# KiCad board SparkFun_GNSS_mosaic-T_panelized.kicad_pcb (continued)
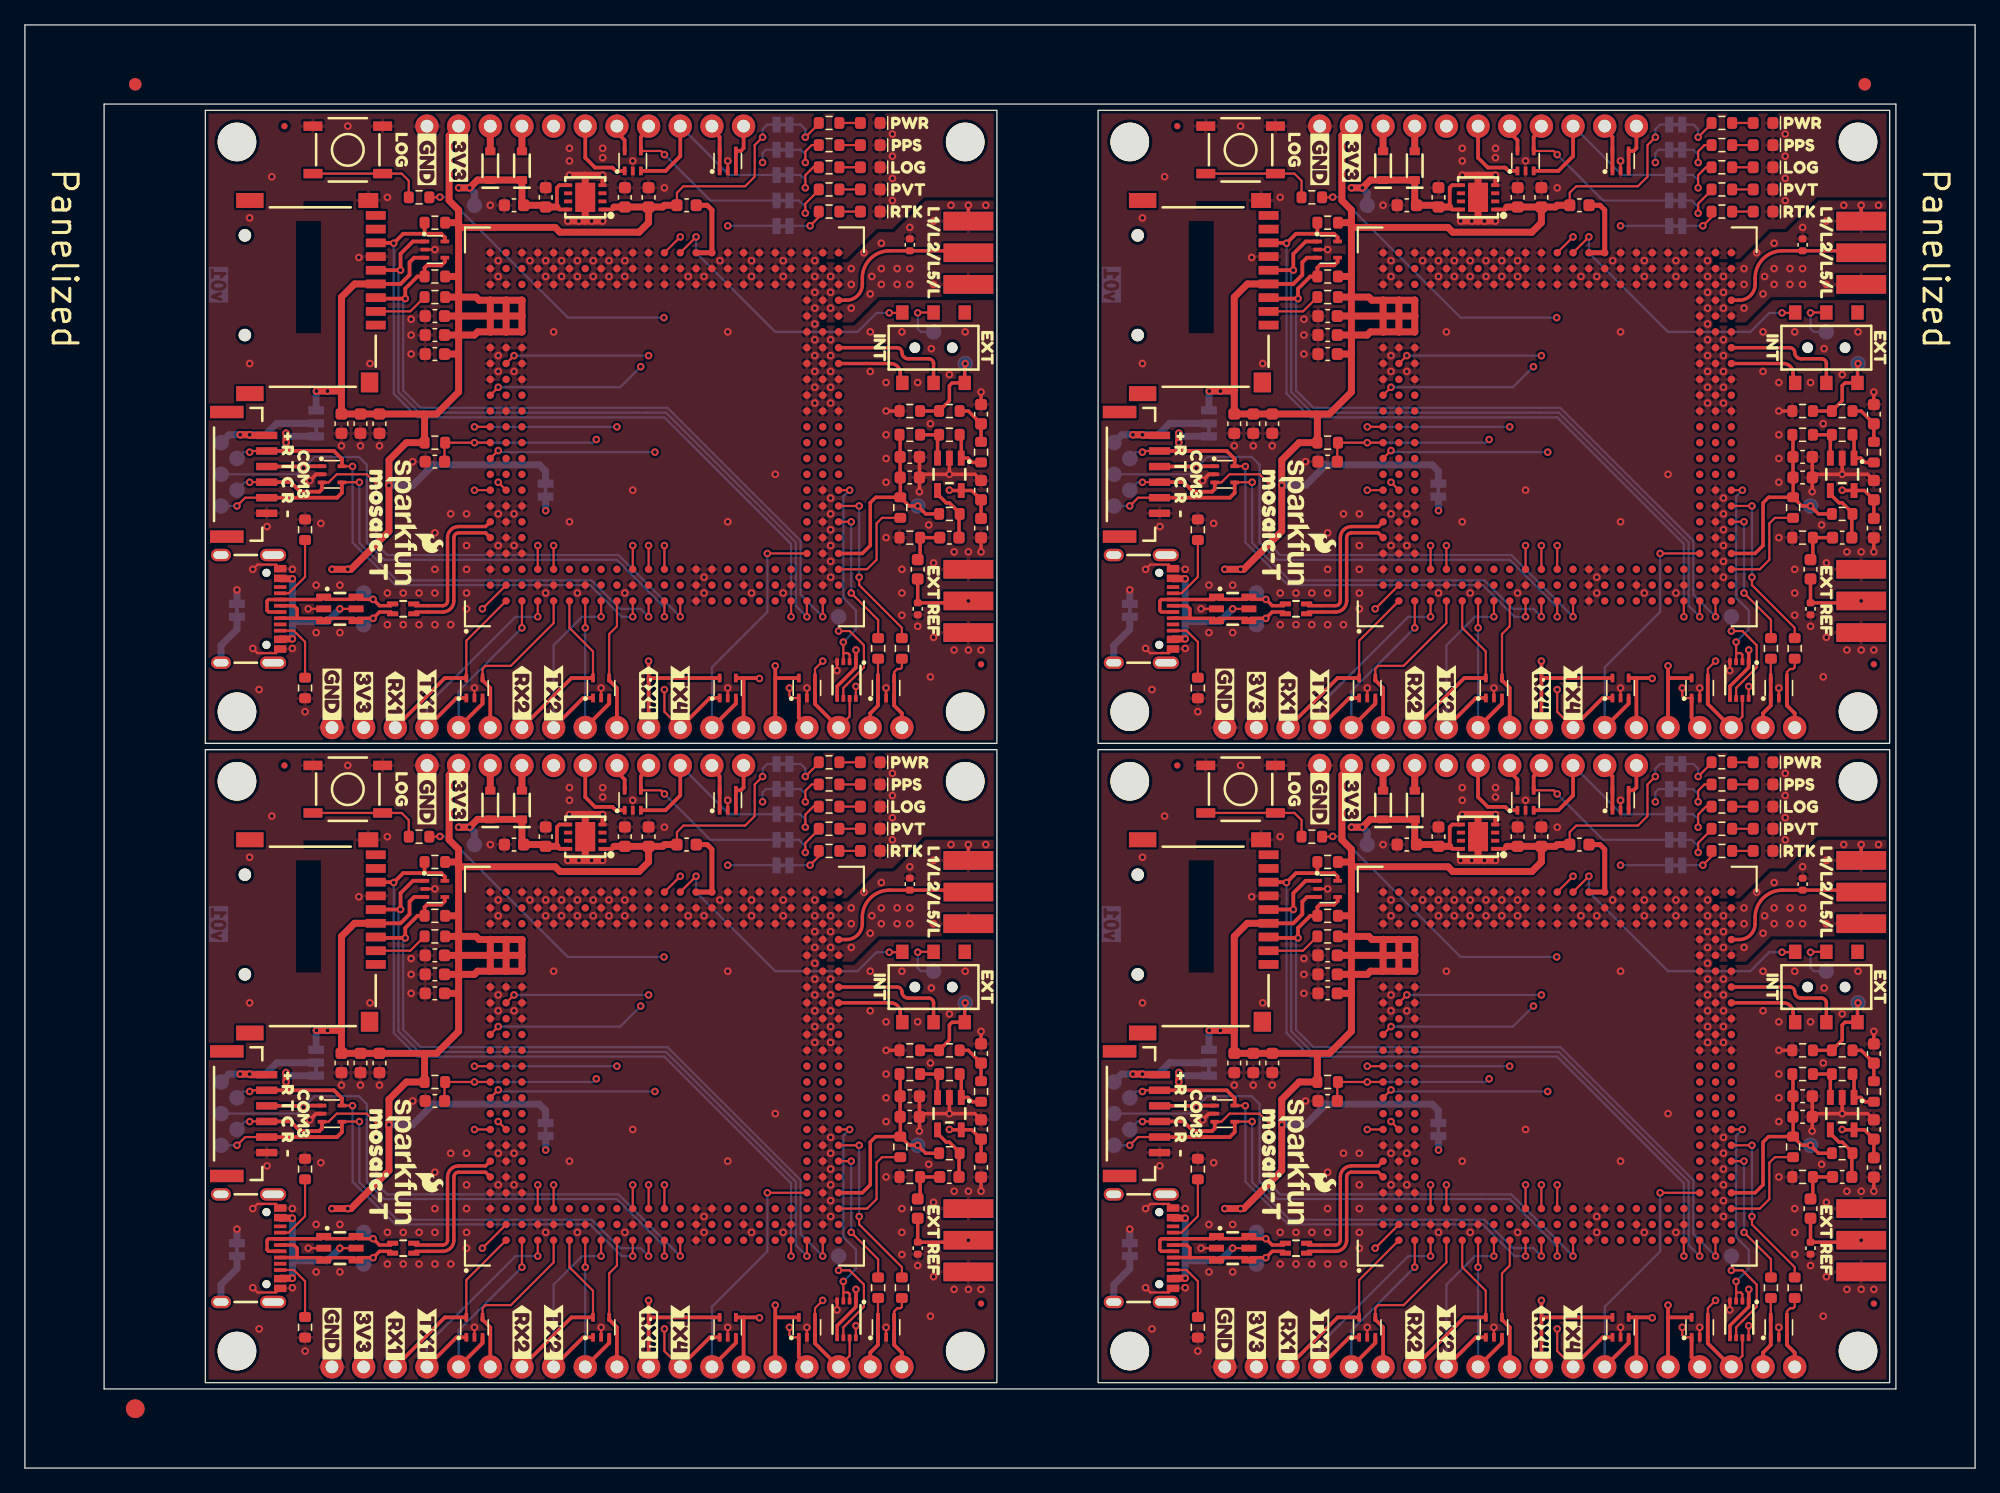
[diagram p0: board, top side]
## Placement (name value [footprint] x y rotation side) (continued)
kibuzzard-67D022AC#4  G***  [kibuzzard-67D022AC]  142.35 100.82 0 top
kibuzzard-67D035E7  G***  [kibuzzard-67D035E7]  68.57 89.9 270 top
kibuzzard-67D035E7#2  G***  [kibuzzard-67D035E7]  68.57 38.6 270 top
kibuzzard-67D035E7#3  G***  [kibuzzard-67D035E7]  140.19 38.6 270 top
kibuzzard-67D035E7#4  G***  [kibuzzard-67D035E7]  140.19 89.9 270 top
kibuzzard-67D035FF  G***  [kibuzzard-67D035FF]  77.21 89.9 270 top
kibuzzard-67D035FF#2  G***  [kibuzzard-67D035FF]  148.83 38.6 270 top
kibuzzard-67D035FF#3  G***  [kibuzzard-67D035FF]  77.21 38.6 270 top
kibuzzard-67D035FF#4  G***  [kibuzzard-67D035FF]  148.83 89.9 270 top
kibuzzard-67D044A8  G***  [kibuzzard-67D044A8]  32.25 105.01 270 top
kibuzzard-67D044A8#2  G***  [kibuzzard-67D044A8]  32.25 53.71 270 top
kibuzzard-67D044A8#3  G***  [kibuzzard-67D044A8]  103.87 53.71 270 top
kibuzzard-67D044A8#4  G***  [kibuzzard-67D044A8]  103.87 105.01 270 top
kibuzzard-67D044BC  G***  [kibuzzard-67D044BC]  34.79 53.84 270 top
kibuzzard-67D044BC#2  G***  [kibuzzard-67D044BC]  106.41 105.14 270 top
kibuzzard-67D044BC#3  G***  [kibuzzard-67D044BC]  106.41 53.84 270 top
kibuzzard-67D044BC#4  G***  [kibuzzard-67D044BC]  34.79 105.14 270 top
kibuzzard-67D044ED  G***  [kibuzzard-67D044ED]  24.63 10.79 270 top
kibuzzard-67D044ED#2  G***  [kibuzzard-67D044ED]  96.25 10.79 270 top
kibuzzard-67D044ED#3  G***  [kibuzzard-67D044ED]  96.25 62.09 270 top
kibuzzard-67D044ED#4  G***  [kibuzzard-67D044ED]  24.63 62.09 270 top
kibuzzard-67D045AD  G***  [kibuzzard-67D045AD]  96.25 62.09 90 bottom
kibuzzard-67D045AD#2  G***  [kibuzzard-67D045AD]  24.63 62.09 90 bottom
kibuzzard-67D045AD#3  G***  [kibuzzard-67D045AD]  96.25 10.79 90 bottom
kibuzzard-67D045AD#4  G***  [kibuzzard-67D045AD]  24.63 10.79 90 bottom
kibuzzard-67D045C9  G***  [kibuzzard-67D045C9]  98.79 10.66 90 bottom
kibuzzard-67D045C9#2  G***  [kibuzzard-67D045C9]  27.17 10.66 90 bottom
kibuzzard-67D045C9#3  G***  [kibuzzard-67D045C9]  98.79 61.96 90 bottom
kibuzzard-67D045C9#4  G***  [kibuzzard-67D045C9]  27.17 61.96 90 bottom
kibuzzard-67D045EC  G***  [kibuzzard-67D045EC]  101.33 10.66 90 bottom
kibuzzard-67D045EC#2  G***  [kibuzzard-67D045EC]  29.71 61.96 90 bottom
kibuzzard-67D045EC#3  G***  [kibuzzard-67D045EC]  29.71 10.66 90 bottom
kibuzzard-67D045EC#4  G***  [kibuzzard-67D045EC]  101.33 61.96 90 bottom
kibuzzard-67D046A8  G***  [kibuzzard-67D046A8]  39.87 62.21 90 bottom
kibuzzard-67D046A8#2  G***  [kibuzzard-67D046A8]  39.87 10.91 90 bottom
kibuzzard-67D046A8#3  G***  [kibuzzard-67D046A8]  111.49 62.21 90 bottom
kibuzzard-67D046A8#4  G***  [kibuzzard-67D046A8]  111.49 10.91 90 bottom
kibuzzard-67D046B5  G***  [kibuzzard-67D046B5]  42.41 62.34 90 bottom
kibuzzard-67D046B5#2  G***  [kibuzzard-67D046B5]  42.41 11.04 90 bottom
kibuzzard-67D046B5#3  G***  [kibuzzard-67D046B5]  114.03 62.34 90 bottom
kibuzzard-67D046B5#4  G***  [kibuzzard-67D046B5]  114.03 11.04 90 bottom
kibuzzard-67D046BD  G***  [kibuzzard-67D046BD]  44.95 62.59 90 bottom
kibuzzard-67D046BD#2  G***  [kibuzzard-67D046BD]  116.57 11.3 90 bottom
kibuzzard-67D046BD#3  G***  [kibuzzard-67D046BD]  44.95 11.3 90 bottom
kibuzzard-67D046BD#4  G***  [kibuzzard-67D046BD]  116.57 62.59 90 bottom
kibuzzard-67D046CC  G***  [kibuzzard-67D046CC]  119.11 62.72 90 bottom
kibuzzard-67D046CC#2  G***  [kibuzzard-67D046CC]  47.49 11.42 90 bottom
kibuzzard-67D046CC#3  G***  [kibuzzard-67D046CC]  119.11 11.42 90 bottom
kibuzzard-67D046CC#4  G***  [kibuzzard-67D046CC]  47.49 62.72 90 bottom
kibuzzard-67D046F7  G***  [kibuzzard-67D046F7]  50.03 10.91 90 bottom
kibuzzard-67D046F7#2  G***  [kibuzzard-67D046F7]  121.65 62.21 90 bottom
kibuzzard-67D046F7#3  G***  [kibuzzard-67D046F7]  50.03 62.21 90 bottom
kibuzzard-67D046F7#4  G***  [kibuzzard-67D046F7]  121.65 10.91 90 bottom
kibuzzard-67D046FF  G***  [kibuzzard-67D046FF]  52.57 10.91 90 bottom
kibuzzard-67D046FF#2  G***  [kibuzzard-67D046FF]  52.57 62.21 90 bottom
kibuzzard-67D046FF#3  G***  [kibuzzard-67D046FF]  124.19 10.91 90 bottom
kibuzzard-67D046FF#4  G***  [kibuzzard-67D046FF]  124.19 62.21 90 bottom
kibuzzard-67D047AD  G***  [kibuzzard-67D047AD]  134.35 12.82 90 bottom
kibuzzard-67D047AD#2  G***  [kibuzzard-67D047AD]  62.73 64.12 90 bottom
kibuzzard-67D047AD#3  G***  [kibuzzard-67D047AD]  134.35 64.12 90 bottom
kibuzzard-67D047AD#4  G***  [kibuzzard-67D047AD]  62.73 12.82 90 bottom
kibuzzard-67D047C3  G***  [kibuzzard-67D047C3]  136.89 62.09 90 bottom
kibuzzard-67D047C3#2  G***  [kibuzzard-67D047C3]  136.89 10.79 90 bottom
kibuzzard-67D047C3#3  G***  [kibuzzard-67D047C3]  65.27 62.09 90 bottom
kibuzzard-67D047C3#4  G***  [kibuzzard-67D047C3]  65.27 10.79 90 bottom
kibuzzard-67D047D9  G***  [kibuzzard-67D047D9]  139.43 64.25 90 bottom
kibuzzard-67D047D9#2  G***  [kibuzzard-67D047D9]  67.81 64.25 90 bottom
kibuzzard-67D047D9#3  G***  [kibuzzard-67D047D9]  139.43 12.95 90 bottom
kibuzzard-67D047D9#4  G***  [kibuzzard-67D047D9]  67.81 12.95 90 bottom
kibuzzard-67D047EC  G***  [kibuzzard-67D047EC]  70.35 12.82 90 bottom
kibuzzard-67D047EC#2  G***  [kibuzzard-67D047EC]  141.97 12.82 90 bottom
kibuzzard-67D047EC#3  G***  [kibuzzard-67D047EC]  70.35 64.12 90 bottom
kibuzzard-67D047EC#4  G***  [kibuzzard-67D047EC]  141.97 64.12 90 bottom
kibuzzard-67D049A2  G***  [kibuzzard-67D049A2]  21.07 80.38 270 top
kibuzzard-67D049A2#2  G***  [kibuzzard-67D049A2]  21.07 29.08 270 top
kibuzzard-67D049A2#3  G***  [kibuzzard-67D049A2]  92.69 29.08 270 top
kibuzzard-67D049A2#4  G***  [kibuzzard-67D049A2]  92.69 80.38 270 top
kibuzzard-67D049A2#5  G***  [kibuzzard-67D049A2]  90.03 79.74 90 bottom
kibuzzard-67D049A2#6  G***  [kibuzzard-67D049A2]  18.41 79.74 90 bottom
kibuzzard-67D049A2#7  G***  [kibuzzard-67D049A2]  90.03 28.44 90 bottom
kibuzzard-67D049A2#8  G***  [kibuzzard-67D049A2]  18.41 28.44 90 bottom
kibuzzard-67D049B0  G***  [kibuzzard-67D049B0]  92.69 27.81 270 top
kibuzzard-67D049B0#2  G***  [kibuzzard-67D049B0]  21.07 27.81 270 top
kibuzzard-67D049B0#3  G***  [kibuzzard-67D049B0]  92.69 79.11 270 top
kibuzzard-67D049B0#4  G***  [kibuzzard-67D049B0]  21.07 79.11 270 top
kibuzzard-67D049B0#5  G***  [kibuzzard-67D049B0]  90.03 78.47 90 bottom
kibuzzard-67D049B0#6  G***  [kibuzzard-67D049B0]  18.41 78.47 90 bottom
kibuzzard-67D049B0#7  G***  [kibuzzard-67D049B0]  90.03 27.17 90 bottom
kibuzzard-67D049B0#8  G***  [kibuzzard-67D049B0]  18.41 27.17 90 bottom
kibuzzard-67D171AB  G***  [kibuzzard-67D171AB]  97.52 70.22 90 bottom
kibuzzard-67D171AB#2  G***  [kibuzzard-67D171AB]  25.9 70.22 90 bottom
kibuzzard-67D171AB#3  G***  [kibuzzard-67D171AB]  97.52 18.92 90 bottom
kibuzzard-67D171AB#4  G***  [kibuzzard-67D171AB]  25.9 18.92 90 bottom
kibuzzard-67D171E5  G***  [kibuzzard-67D171E5]  25.9 67.68 90 bottom
kibuzzard-67D171E5#2  G***  [kibuzzard-67D171E5]  25.9 16.38 90 bottom
kibuzzard-67D171E5#3  G***  [kibuzzard-67D171E5]  97.52 16.38 90 bottom
kibuzzard-67D171E5#4  G***  [kibuzzard-67D171E5]  97.52 67.68 90 bottom
kibuzzard-67D0352E  G***  [kibuzzard-67D0352E]  100.01 24.38 270 top
kibuzzard-67D0352E#2  G***  [kibuzzard-67D0352E]  28.39 24.38 270 top
kibuzzard-67D0352E#3  G***  [kibuzzard-67D0352E]  100.01 75.68 270 top
kibuzzard-67D0352E#4  G***  [kibuzzard-67D0352E]  28.39 75.68 270 top
kibuzzard-67D0356E  G***  [kibuzzard-67D0356E]  50.03 83.55 90 bottom
kibuzzard-67D0356E#2  G***  [kibuzzard-67D0356E]  50.03 32.25 90 bottom
kibuzzard-67D0356E#3  G***  [kibuzzard-67D0356E]  121.65 83.55 90 bottom
kibuzzard-67D0356E#4  G***  [kibuzzard-67D0356E]  121.65 32.25 90 bottom
kibuzzard-67D0451A  G***  [kibuzzard-67D0451A]  101.33 61.96 270 top
kibuzzard-67D0451A#2  G***  [kibuzzard-67D0451A]  29.71 61.96 270 top
kibuzzard-67D0451A#3  G***  [kibuzzard-67D0451A]  101.33 10.66 270 top
kibuzzard-67D0451A#4  G***  [kibuzzard-67D0451A]  29.71 10.66 270 top
kibuzzard-67D0454D  G***  [kibuzzard-67D0454D]  39.87 10.91 270 top
kibuzzard-67D0454D#2  G***  [kibuzzard-67D0454D]  39.87 62.21 270 top
kibuzzard-67D0454D#3  G***  [kibuzzard-67D0454D]  111.49 62.21 270 top
kibuzzard-67D0454D#4  G***  [kibuzzard-67D0454D]  111.49 10.91 270 top
kibuzzard-67D0455C  G***  [kibuzzard-67D0455C]  42.41 62.21 270 top
kibuzzard-67D0455C#2  G***  [kibuzzard-67D0455C]  114.03 10.91 270 top
kibuzzard-67D0455C#3  G***  [kibuzzard-67D0455C]  114.03 62.21 270 top
kibuzzard-67D0455C#4  G***  [kibuzzard-67D0455C]  42.41 10.91 270 top
kibuzzard-67D0474E  G***  [kibuzzard-67D0474E]  129.27 62.21 90 bottom
kibuzzard-67D0474E#2  G***  [kibuzzard-67D0474E]  129.27 10.91 90 bottom
kibuzzard-67D0474E#3  G***  [kibuzzard-67D0474E]  57.65 10.91 90 bottom
kibuzzard-67D0474E#4  G***  [kibuzzard-67D0474E]  57.65 62.21 90 bottom
kibuzzard-67D1674C  G***  [kibuzzard-67D1674C]  43.68 65.77 180 bottom
kibuzzard-67D1674C#2  G***  [kibuzzard-67D1674C]  43.68 14.47 180 bottom
kibuzzard-67D1674C#3  G***  [kibuzzard-67D1674C]  115.3 14.47 180 bottom
kibuzzard-67D1674C#4  G***  [kibuzzard-67D1674C]  115.3 65.77 180 bottom
kibuzzard-67D02274  G***  [kibuzzard-67D02274]  142.61 56.63 0 top
kibuzzard-67D02274#2  G***  [kibuzzard-67D02274]  70.99 56.63 0 top
kibuzzard-67D02274#3  G***  [kibuzzard-67D02274]  70.99 107.93 0 top
kibuzzard-67D02274#4  G***  [kibuzzard-67D02274]  142.61 107.93 0 top
kibuzzard-67D02289  G***  [kibuzzard-67D02289]  142.35 106.16 0 top
kibuzzard-67D02289#2  G***  [kibuzzard-67D02289]  70.73 54.86 0 top
kibuzzard-67D02289#3  G***  [kibuzzard-67D02289]  70.73 106.16 0 top
kibuzzard-67D02289#4  G***  [kibuzzard-67D02289]  142.35 54.86 0 top
kibuzzard-67D02298  G***  [kibuzzard-67D02298]  70.86 53.08 0 top
kibuzzard-67D02298#2  G***  [kibuzzard-67D02298]  30.22 105.78 270 top
kibuzzard-67D02298#3  G***  [kibuzzard-67D02298]  70.86 104.38 0 top
kibuzzard-67D02298#4  G***  [kibuzzard-67D02298]  101.84 54.48 270 top
kibuzzard-67D02298#5  G***  [kibuzzard-67D02298]  142.48 53.08 0 top
kibuzzard-67D02298#6  G***  [kibuzzard-67D02298]  30.22 54.48 270 top
kibuzzard-67D02298#7  G***  [kibuzzard-67D02298]  142.48 104.38 0 top
kibuzzard-67D02298#8  G***  [kibuzzard-67D02298]  101.84 105.78 270 top
kibuzzard-67D03557  G***  [kibuzzard-67D03557]  125.46 32.25 90 bottom
kibuzzard-67D03557#2  G***  [kibuzzard-67D03557]  125.46 83.55 90 bottom
kibuzzard-67D03557#3  G***  [kibuzzard-67D03557]  53.84 83.55 90 bottom
kibuzzard-67D03557#4  G***  [kibuzzard-67D03557]  53.84 32.25 90 bottom
kibuzzard-67D03584  G***  [kibuzzard-67D03584]  117.84 83.55 90 bottom
kibuzzard-67D03584#2  G***  [kibuzzard-67D03584]  46.22 32.25 90 bottom
kibuzzard-67D03584#3  G***  [kibuzzard-67D03584]  117.84 32.25 90 bottom
kibuzzard-67D03584#4  G***  [kibuzzard-67D03584]  46.22 83.55 90 bottom
kibuzzard-67D04501  G***  [kibuzzard-67D04501]  27.17 61.96 270 top
kibuzzard-67D04501#2  G***  [kibuzzard-67D04501]  98.79 10.66 270 top
kibuzzard-67D04501#3  G***  [kibuzzard-67D04501]  98.79 61.96 270 top
kibuzzard-67D04501#4  G***  [kibuzzard-67D04501]  27.17 10.66 270 top
kibuzzard-67D04530  G***  [kibuzzard-67D04530]  32.25 10.79 270 top
kibuzzard-67D04530#2  G***  [kibuzzard-67D04530]  103.87 10.79 270 top
kibuzzard-67D04530#3  G***  [kibuzzard-67D04530]  32.25 62.09 270 top
kibuzzard-67D04530#4  G***  [kibuzzard-67D04530]  103.87 62.09 270 top
kibuzzard-67D04570  G***  [kibuzzard-67D04570]  121.65 62.21 270 top
kibuzzard-67D04570#2  G***  [kibuzzard-67D04570]  121.65 10.91 270 top
kibuzzard-67D04570#3  G***  [kibuzzard-67D04570]  50.03 10.91 270 top
kibuzzard-67D04570#4  G***  [kibuzzard-67D04570]  50.03 62.21 270 top
kibuzzard-67D04579  G***  [kibuzzard-67D04579]  124.19 62.21 270 top
kibuzzard-67D04579#2  G***  [kibuzzard-67D04579]  52.57 62.21 270 top
kibuzzard-67D04579#3  G***  [kibuzzard-67D04579]  124.19 10.91 270 top
kibuzzard-67D04579#4  G***  [kibuzzard-67D04579]  52.57 10.91 270 top
kibuzzard-67D04612  G***  [kibuzzard-67D04612]  32.25 62.09 90 bottom
kibuzzard-67D04612#2  G***  [kibuzzard-67D04612]  103.87 62.09 90 bottom
kibuzzard-67D04612#3  G***  [kibuzzard-67D04612]  103.87 10.79 90 bottom
kibuzzard-67D04612#4  G***  [kibuzzard-67D04612]  32.25 10.79 90 bottom
kibuzzard-67D04639  G***  [kibuzzard-67D04639]  106.41 11.17 90 bottom
kibuzzard-67D04639#2  G***  [kibuzzard-67D04639]  34.79 11.17 90 bottom
kibuzzard-67D04639#3  G***  [kibuzzard-67D04639]  106.41 62.47 90 bottom
kibuzzard-67D04639#4  G***  [kibuzzard-67D04639]  34.79 62.47 90 bottom
kibuzzard-67D04669  G***  [kibuzzard-67D04669]  37.33 11.17 90 bottom
kibuzzard-67D04669#2  G***  [kibuzzard-67D04669]  108.95 11.17 90 bottom
kibuzzard-67D04669#3  G***  [kibuzzard-67D04669]  108.95 62.47 90 bottom
kibuzzard-67D04669#4  G***  [kibuzzard-67D04669]  37.33 62.47 90 bottom
kibuzzard-67D04726  G***  [kibuzzard-67D04726]  126.73 62.09 90 bottom
kibuzzard-67D04726#2  G***  [kibuzzard-67D04726]  55.11 10.79 90 bottom
kibuzzard-67D04726#3  G***  [kibuzzard-67D04726]  126.73 10.79 90 bottom
kibuzzard-67D04726#4  G***  [kibuzzard-67D04726]  55.11 62.09 90 bottom
kibuzzard-67D04771  G***  [kibuzzard-67D04771]  131.81 10.91 90 bottom
kibuzzard-67D04771#2  G***  [kibuzzard-67D04771]  60.19 62.21 90 bottom
kibuzzard-67D04771#3  G***  [kibuzzard-67D04771]  60.19 10.91 90 bottom
kibuzzard-67D04771#4  G***  [kibuzzard-67D04771]  131.81 62.21 90 bottom
kibuzzard-67D04943  G***  [kibuzzard-67D04943]  93.96 79.74 270 top
kibuzzard-67D04943#2  G***  [kibuzzard-67D04943]  93.96 28.44 270 top
kibuzzard-67D04943#3  G***  [kibuzzard-67D04943]  22.34 28.44 270 top
kibuzzard-67D04943#4  G***  [kibuzzard-67D04943]  22.34 79.74 270 top
kibuzzard-67D04998  G***  [kibuzzard-67D04998]  92.69 77.84 270 top
kibuzzard-67D04998#2  G***  [kibuzzard-67D04998]  92.69 26.53 270 top
kibuzzard-67D04998#3  G***  [kibuzzard-67D04998]  21.07 26.53 270 top
kibuzzard-67D04998#4  G***  [kibuzzard-67D04998]  21.07 81.65 270 top
kibuzzard-67D04998#5  G***  [kibuzzard-67D04998]  21.07 77.84 270 top
kibuzzard-67D04998#6  G***  [kibuzzard-67D04998]  92.69 30.34 270 top
kibuzzard-67D04998#7  G***  [kibuzzard-67D04998]  92.69 81.65 270 top
kibuzzard-67D04998#8  G***  [kibuzzard-67D04998]  21.07 30.34 270 top
kibuzzard-67D04998#9  G***  [kibuzzard-67D04998]  18.41 81.01 90 bottom
kibuzzard-67D04998#10  G***  [kibuzzard-67D04998]  18.41 77.2 90 bottom
kibuzzard-67D04998#11  G***  [kibuzzard-67D04998]  18.41 29.71 90 bottom
kibuzzard-67D04998#12  G***  [kibuzzard-67D04998]  90.03 81.01 90 bottom
kibuzzard-67D04998#13  G***  [kibuzzard-67D04998]  18.41 25.9 90 bottom
kibuzzard-67D04998#14  G***  [kibuzzard-67D04998]  90.03 25.9 90 bottom
kibuzzard-67D04998#15  G***  [kibuzzard-67D04998]  90.03 77.2 90 bottom
kibuzzard-67D04998#16  G***  [kibuzzard-67D04998]  90.03 29.71 90 bottom
kibuzzard-67D05112  G***  [kibuzzard-67D05112]  18.66 68.82 90 bottom
kibuzzard-67D05112#2  G***  [kibuzzard-67D05112]  90.28 68.82 90 bottom
kibuzzard-67D05112#3  G***  [kibuzzard-67D05112]  90.28 17.52 90 bottom
kibuzzard-67D05112#4  G***  [kibuzzard-67D05112]  18.66 17.52 90 bottom
kibuzzard-67D05125  G***  [kibuzzard-67D05125]  111.74 27.17 90 bottom
kibuzzard-67D05125#2  G***  [kibuzzard-67D05125]  40.12 78.47 90 bottom
kibuzzard-67D05125#3  G***  [kibuzzard-67D05125]  111.74 78.47 90 bottom
kibuzzard-67D05125#4  G***  [kibuzzard-67D05125]  40.12 27.17 90 bottom
kibuzzard-67D16721  G***  [kibuzzard-67D16721]  33.52 65.77 180 bottom
kibuzzard-67D16721#2  G***  [kibuzzard-67D16721]  105.14 14.47 180 bottom
kibuzzard-67D16721#3  G***  [kibuzzard-67D16721]  33.52 14.47 180 bottom
kibuzzard-67D16721#4  G***  [kibuzzard-67D16721]  105.14 65.77 180 bottom
kibuzzard-67D16775  G***  [kibuzzard-67D16775]  122.92 14.48 180 bottom
kibuzzard-67D16775#2  G***  [kibuzzard-67D16775]  122.92 65.78 180 bottom
kibuzzard-67D16775#3  G***  [kibuzzard-67D16775]  51.3 65.78 180 bottom
kibuzzard-67D16775#4  G***  [kibuzzard-67D16775]  51.3 14.48 180 bottom
kibuzzard-67DABC7B  G***  [kibuzzard-67DABC7B]  18.41 82.28 90 bottom
kibuzzard-67DABC7B#2  G***  [kibuzzard-67DABC7B]  90.03 30.98 90 bottom
kibuzzard-67DABC7B#3  G***  [kibuzzard-67DABC7B]  18.41 30.98 90 bottom
kibuzzard-67DABC7B#4  G***  [kibuzzard-67DABC7B]  90.03 82.28 90 bottom
kibuzzard-67DABC71  G***  [kibuzzard-67DABC71]  92.69 82.79 270 top
kibuzzard-67DABC71#2  G***  [kibuzzard-67DABC71]  21.07 82.79 270 top
kibuzzard-67DABC71#3  G***  [kibuzzard-67DABC71]  92.69 31.49 270 top
kibuzzard-67DABC71#4  G***  [kibuzzard-67DABC71]  21.07 31.49 270 top
kibuzzard-67DABC87  G***  [kibuzzard-67DABC87]  21.07 76.56 270 top
kibuzzard-67DABC87#2  G***  [kibuzzard-67DABC87]  21.07 25.27 270 top
kibuzzard-67DABC87#3  G***  [kibuzzard-67DABC87]  92.69 25.27 270 top
kibuzzard-67DABC87#4  G***  [kibuzzard-67DABC87]  92.69 76.56 270 top
kibuzzard-67DABED8  G***  [kibuzzard-67DABED8]  107.68 99.68 90 bottom
kibuzzard-67DABED8#2  G***  [kibuzzard-67DABED8]  36.06 48.38 90 bottom
kibuzzard-67DABED8#3  G***  [kibuzzard-67DABED8]  36.06 99.68 90 bottom
kibuzzard-67DABED8#4  G***  [kibuzzard-67DABED8]  107.68 48.38 90 bottom
kibuzzard-67DAC0B5  G***  [kibuzzard-67DAC0B5]  93.33 32.5 90 bottom
kibuzzard-67DAC0B5#2  G***  [kibuzzard-67DAC0B5]  93.33 83.8 90 bottom
kibuzzard-67DAC0B5#3  G***  [kibuzzard-67DAC0B5]  21.71 32.5 90 bottom
kibuzzard-67DAC0B5#4  G***  [kibuzzard-67DAC0B5]  21.71 83.8 90 bottom
kibuzzard-67DAC0E0  G***  [kibuzzard-67DAC0E0]  23.36 29.46 90 bottom
kibuzzard-67DAC0E0#2  G***  [kibuzzard-67DAC0E0]  94.98 80.76 90 bottom
kibuzzard-67DAC0E0#3  G***  [kibuzzard-67DAC0E0]  23.36 80.76 90 bottom
kibuzzard-67DAC0E0#4  G***  [kibuzzard-67DAC0E0]  94.98 29.46 90 bottom
kibuzzard-67DAC106  G***  [kibuzzard-67DAC106]  23.36 36.06 90 bottom
kibuzzard-67DAC106#2  G***  [kibuzzard-67DAC106]  94.98 36.06 90 bottom
kibuzzard-67DAC106#3  G***  [kibuzzard-67DAC106]  23.36 87.36 90 bottom
kibuzzard-67DAC106#4  G***  [kibuzzard-67DAC106]  94.98 87.36 90 bottom
L1  470Ohm  [C_0603_1608Metric]  53.08 50.03 0 top
L1#2  470Ohm  [C_0603_1608Metric]  53.08 101.33 0 top
L1#3  470Ohm  [C_0603_1608Metric]  124.7 101.33 0 top
L1#4  470Ohm  [C_0603_1608Metric]  124.7 50.03 0 top
LOG1  ~  [Jumper_2_NC_Trace]  132.43 103.76 180 bottom
LOG1#2  ~  [Jumper_2_NC_Trace]  132.43 52.46 180 bottom
LOG1#3  ~  [Jumper_2_NC_Trace]  60.81 103.76 180 bottom
LOG1#4  ~  [Jumper_2_NC_Trace]  60.81 52.46 180 bottom
NOREF  -  [Fiducial_1.5mm_Mask3mm]  8.85 4.76 0 top
NOREF#2  -  [Fiducial_1mm_Mask3mm]  8.85 111.04 0 top
NOREF#3  -  [Fiducial_1mm_Mask3mm]  147.59 111.04 0 top
NOREF#4  -  [Fiducial_1.5mm_Mask3mm]  8.85 4.76 180 bottom
NOREF#5  -  [Fiducial_1mm_Mask3mm]  8.85 111.04 180 bottom
NOREF#6  -  [Fiducial_1mm_Mask3mm]  147.59 111.04 180 bottom
PPS1  ~  [Jumper_2_NC_Trace]  60.81 54.48 180 bottom
PPS1#2  ~  [Jumper_2_NC_Trace]  60.81 105.78 180 bottom
PPS1#3  ~  [Jumper_2_NC_Trace]  132.43 54.48 180 bottom
PPS1#4  ~  [Jumper_2_NC_Trace]  132.43 105.78 180 bottom
PVT1  ~  [Jumper_2_NC_Trace]  60.81 101.71 180 bottom
PVT1#2  ~  [Jumper_2_NC_Trace]  132.43 50.41 180 bottom
PVT1#3  ~  [Jumper_2_NC_Trace]  132.43 101.71 180 bottom
PVT1#4  ~  [Jumper_2_NC_Trace]  60.81 50.41 180 bottom
PWR1  ~  [Jumper_2_NC_Trace]  60.81 56.5 180 bottom
PWR1#2  ~  [Jumper_2_NC_Trace]  132.43 107.8 180 bottom
PWR1#3  ~  [Jumper_2_NC_Trace]  132.43 56.5 180 bottom
PWR1#4  ~  [Jumper_2_NC_Trace]  60.81 107.8 180 bottom
R1  10k  [R_0603_1608Metric]  104.5 48.63 0 top
R1#2  10k  [R_0603_1608Metric]  32.89 48.63 0 top
R1#3  10k  [R_0603_1608Metric]  104.5 99.93 0 top
R1#4  10k  [R_0603_1608Metric]  32.89 99.93 0 top
R2  10k  [R_0603_1608Metric]  104.5 44.31 0 top
R2#2  10k  [R_0603_1608Metric]  104.5 95.62 0 top
R2#3  10k  [R_0603_1608Metric]  32.89 95.62 0 top
R2#4  10k  [R_0603_1608Metric]  32.89 44.31 0 top
R3  10k  [R_0603_1608Metric]  104.5 82.28 180 top
R3#2  10k  [R_0603_1608Metric]  104.5 30.98 180 top
R3#3  10k  [R_0603_1608Metric]  32.89 82.28 180 top
R3#4  10k  [R_0603_1608Metric]  32.89 30.98 180 top
R4  10k  [R_0603_1608Metric]  32.89 42.66 0 top
R4#2  10k  [R_0603_1608Metric]  104.5 93.96 0 top
R4#3  10k  [R_0603_1608Metric]  32.89 93.96 0 top
R4#4  10k  [R_0603_1608Metric]  104.5 42.66 0 top
R5  10k  [R_0603_1608Metric]  141.84 77.07 270 top
R5#2  10k  [R_0603_1608Metric]  141.84 25.77 270 top
R5#3  10k  [R_0603_1608Metric]  70.22 77.07 270 top
R5#4  10k  [R_0603_1608Metric]  70.22 25.77 270 top
R6  4.7k  [R_0603_1608Metric]  136.13 107.93 180 top
R6#2  4.7k  [R_0603_1608Metric]  136.13 56.63 180 top
R6#3  4.7k  [R_0603_1608Metric]  64.51 56.63 180 top
R6#4  4.7k  [R_0603_1608Metric]  64.51 107.93 180 top
R7  2.2k  [R_0603_1608Metric]  64.51 51.3 180 top
R7#2  2.2k  [R_0603_1608Metric]  136.13 51.3 180 top
R7#3  2.2k  [R_0603_1608Metric]  136.13 102.6 180 top
R7#4  2.2k  [R_0603_1608Metric]  64.51 102.6 180 top
R8  169k  [R_0603_1608Metric]  140.06 65.77 270 top
R8#2  169k  [R_0603_1608Metric]  140.06 14.47 270 top
R8#3  169k  [R_0603_1608Metric]  68.44 65.77 270 top
R8#4  169k  [R_0603_1608Metric]  68.44 14.47 270 top
R9  169k  [R_0603_1608Metric]  141.97 14.47 270 top
R9#2  169k  [R_0603_1608Metric]  70.35 65.77 270 top
R9#3  169k  [R_0603_1608Metric]  141.97 65.77 270 top
R9#4  169k  [R_0603_1608Metric]  70.35 14.47 270 top
R10  330  [R_0603_1608Metric]  136.13 53.08 180 top
R10#2  330  [R_0603_1608Metric]  136.13 104.38 180 top
R10#3  330  [R_0603_1608Metric]  64.51 104.38 180 top
R10#4  330  [R_0603_1608Metric]  64.51 53.08 180 top
R11  1k  [R_0603_1608Metric]  136.13 49.52 180 top
R11#2  1k  [R_0603_1608Metric]  136.13 100.82 180 top
R11#3  1k  [R_0603_1608Metric]  64.51 100.82 180 top
R11#4  1k  [R_0603_1608Metric]  64.51 49.52 180 top
R12  2.2k  [R_0603_1608Metric]  64.51 106.16 180 top
R12#2  2.2k  [R_0603_1608Metric]  64.51 54.86 180 top
R12#3  2.2k  [R_0603_1608Metric]  136.13 54.86 180 top
R12#4  2.2k  [R_0603_1608Metric]  136.13 106.16 180 top
R13  1k  [R_0603_1608Metric]  31.62 50.67 0 top
R13#2  1k  [R_0603_1608Metric]  103.24 50.67 0 top
R13#3  1k  [R_0603_1608Metric]  103.24 101.97 0 top
R13#4  1k  [R_0603_1608Metric]  31.62 101.97 0 top
R14  49.9  [R_0603_1608Metric]  70.99 74.66 0 top
R14#2  49.9  [R_0603_1608Metric]  142.61 74.66 0 top
R14#3  49.9  [R_0603_1608Metric]  70.99 23.36 0 top
R14#4  49.9  [R_0603_1608Metric]  142.61 23.36 0 top
R15  1k  [R_0603_1608Metric]  70.99 31.62 180 top
R15#2  1k  [R_0603_1608Metric]  142.61 82.91 180 top
R15#3  1k  [R_0603_1608Metric]  70.99 82.91 180 top
R15#4  1k  [R_0603_1608Metric]  142.61 31.62 180 top
R16  1k  [R_0603_1608Metric]  145.78 76.56 180 top
R16#2  1k  [R_0603_1608Metric]  74.16 76.56 180 top
R16#3  1k  [R_0603_1608Metric]  145.78 25.27 180 top
R16#4  1k  [R_0603_1608Metric]  74.16 25.27 180 top
R17  5.1k  [R_0603_1608Metric]  22.47 62.59 90 top
R17#2  5.1k  [R_0603_1608Metric]  22.47 11.3 90 top
R17#3  5.1k  [R_0603_1608Metric]  94.09 11.3 90 top
R17#4  5.1k  [R_0603_1608Metric]  94.09 62.59 90 top
R18  5.1k  [R_0603_1608Metric]  94.09 24 270 top
R18#2  5.1k  [R_0603_1608Metric]  22.47 75.3 270 top
R18#3  5.1k  [R_0603_1608Metric]  22.47 24 270 top
R18#4  5.1k  [R_0603_1608Metric]  94.09 75.3 270 top
R19  100k  [R_0603_1608Metric]  74.16 82.91 0 top
R19#2  100k  [R_0603_1608Metric]  145.78 82.91 0 top
R19#3  100k  [R_0603_1608Metric]  145.78 31.62 0 top
R19#4  100k  [R_0603_1608Metric]  74.16 31.62 0 top
R20  33  [R_0603_1608Metric]  76.7 30.22 90 top
R20#2  33  [R_0603_1608Metric]  148.32 30.22 90 top
R20#3  33  [R_0603_1608Metric]  76.7 81.52 90 top
R20#4  33  [R_0603_1608Metric]  148.32 81.52 90 top
R21  1k  [R_0603_1608Metric]  145.78 84.82 180 top
R21#2  1k  [R_0603_1608Metric]  74.16 84.82 180 top
R21#3  1k  [R_0603_1608Metric]  145.78 33.52 180 top
R21#4  1k  [R_0603_1608Metric]  74.16 33.52 180 top
R22  1k  [R_0603_1608Metric]  142.61 84.82 180 top
R22#2  1k  [R_0603_1608Metric]  70.99 33.52 180 top
R22#3  1k  [R_0603_1608Metric]  70.99 84.82 180 top
R22#4  1k  [R_0603_1608Metric]  142.61 33.52 180 top
Ref**  Val**  [OSHW_Logo_5mm]  32.25 83.55 90 bottom
Ref**#2  Val**  [OSHW_Logo_5mm]  103.87 32.25 90 bottom
Ref**#3  Val**  [OSHW_Logo_5mm]  32.25 32.25 90 bottom
Ref**#4  Val**  [OSHW_Logo_5mm]  103.87 83.55 90 bottom
RTK1  ~  [Jumper_2_NC_Trace]  60.81 99.66 180 bottom
RTK1#2  ~  [Jumper_2_NC_Trace]  60.81 48.36 180 bottom
RTK1#3  ~  [Jumper_2_NC_Trace]  132.43 48.36 180 bottom
RTK1#4  ~  [Jumper_2_NC_Trace]  132.43 99.66 180 bottom
SHLD1  ~  [Jumper_2_NC_Trace]  88.63 17.53 270 bottom
SHLD1#2  ~  [Jumper_2_NC_Trace]  17.01 17.53 270 bottom
SHLD1#3  ~  [Jumper_2_NC_Trace]  88.63 68.83 270 bottom
SHLD1#4  ~  [Jumper_2_NC_Trace]  17.01 68.83 270 bottom
ST1  -  [Standoff]  88.63 106.41 0 top
ST1#2  -  [Standoff]  88.63 55.11 0 top
ST1#3  -  [Standoff]  17.01 106.41 0 top
ST1#4  -  [Standoff]  17.01 55.11 0 top
ST2  -  [Standoff]  88.63 60.69 0 top
ST2#2  -  [Standoff]  17.01 60.69 0 top
ST2#3  -  [Standoff]  88.63 9.39 0 top
ST2#4  -  [Standoff]  17.01 9.39 0 top
ST3  -  [Standoff]  147.05 55.11 0 top
ST3#2  -  [Standoff]  75.43 106.41 0 top
ST3#3  -  [Standoff]  75.43 55.11 0 top
ST3#4  -  [Standoff]  147.05 106.41 0 top
ST4  -  [Standoff]  147.05 9.39 0 top
ST4#2  -  [Standoff]  75.43 9.39 0 top
ST4#3  -  [Standoff]  75.43 60.69 0 top
ST4#4  -  [Standoff]  147.05 60.69 0 top
SW1  DPDT_Slide_SMD_7.2x3.5mm  [Slide_DPDT_SMD_7.2x3.5mm]  144.51 89.9 90 top
SW1#2  DPDT_Slide_SMD_7.2x3.5mm  [Slide_DPDT_SMD_7.2x3.5mm]  72.89 89.9 90 top
SW1#3  DPDT_Slide_SMD_7.2x3.5mm  [Slide_DPDT_SMD_7.2x3.5mm]  72.89 38.6 90 top
SW1#4  DPDT_Slide_SMD_7.2x3.5mm  [Slide_DPDT_SMD_7.2x3.5mm]  144.51 38.6 90 top
SW2  SMD_5.2x5.2mm_h2.5mm  [Push_SMD_5.2x5.2mm_h2.5mm]  97.52 105.78 0 top
SW2#2  SMD_5.2x5.2mm_h2.5mm  [Push_SMD_5.2x5.2mm_h2.5mm]  25.9 105.78 0 top
SW2#3  SMD_5.2x5.2mm_h2.5mm  [Push_SMD_5.2x5.2mm_h2.5mm]  97.52 54.48 0 top
SW2#4  SMD_5.2x5.2mm_h2.5mm  [Push_SMD_5.2x5.2mm_h2.5mm]  25.9 54.48 0 top
TP1  1.25mm  [TestPoint-1.25mm]  143.24 25.9 180 bottom
TP1#2  1.25mm  [TestPoint-1.25mm]  71.62 77.2 180 bottom
TP1#3  1.25mm  [TestPoint-1.25mm]  143.24 77.2 180 bottom
TP1#4  1.25mm  [TestPoint-1.25mm]  71.62 25.9 180 bottom
TP2  1.25mm  [TestPoint-1.25mm]  72.89 39.87 180 bottom
TP2#2  1.25mm  [TestPoint-1.25mm]  72.89 91.17 180 bottom
TP2#3  1.25mm  [TestPoint-1.25mm]  144.51 91.17 180 bottom
TP2#4  1.25mm  [TestPoint-1.25mm]  144.51 39.87 180 bottom
TP3  1.25mm  [TestPoint-1.25mm]  65.27 68.31 180 bottom
TP3#2  1.25mm  [TestPoint-1.25mm]  136.89 68.31 180 bottom
TP3#3  1.25mm  [TestPoint-1.25mm]  136.89 17.01 180 bottom
TP3#4  1.25mm  [TestPoint-1.25mm]  65.27 17.01 180 bottom
TP4  1.25mm  [TestPoint-1.25mm]  87.36 77.2 180 bottom
TP4#2  1.25mm  [TestPoint-1.25mm]  15.74 77.2 180 bottom
TP4#3  1.25mm  [TestPoint-1.25mm]  87.36 25.9 180 bottom
TP4#4  1.25mm  [TestPoint-1.25mm]  15.74 25.9 180 bottom
TP5  1.25mm  [TestPoint-1.25mm]  17.01 27.17 180 bottom
TP5#2  1.25mm  [TestPoint-1.25mm]  88.63 27.17 180 bottom
TP5#3  1.25mm  [TestPoint-1.25mm]  88.63 78.47 180 bottom
TP5#4  1.25mm  [TestPoint-1.25mm]  17.01 78.47 180 bottom
TP6  1.25mm  [TestPoint-1.25mm]  15.74 79.74 180 bottom
TP6#2  1.25mm  [TestPoint-1.25mm]  15.74 28.44 180 bottom
TP6#3  1.25mm  [TestPoint-1.25mm]  87.36 79.74 180 bottom
TP6#4  1.25mm  [TestPoint-1.25mm]  87.36 28.44 180 bottom
TP7  1.25mm  [TestPoint-1.25mm]  17.01 29.71 180 bottom
TP7#2  1.25mm  [TestPoint-1.25mm]  88.63 81.01 180 bottom
TP7#3  1.25mm  [TestPoint-1.25mm]  17.01 81.01 180 bottom
TP7#4  1.25mm  [TestPoint-1.25mm]  88.63 29.71 180 bottom
TP8  1.25mm  [TestPoint-1.25mm]  147.3 69.58 180 bottom
TP8#2  1.25mm  [TestPoint-1.25mm]  147.3 18.28 180 bottom
TP8#3  1.25mm  [TestPoint-1.25mm]  75.68 18.28 180 bottom
TP8#4  1.25mm  [TestPoint-1.25mm]  75.68 69.58 180 bottom
TP9  1.25mm  [TestPoint-1.25mm]  98.79 16.38 180 bottom
TP9#2  1.25mm  [TestPoint-1.25mm]  98.79 67.68 180 bottom
TP9#3  1.25mm  [TestPoint-1.25mm]  27.17 67.68 180 bottom
TP9#4  1.25mm  [TestPoint-1.25mm]  27.17 16.38 180 bottom
TP10  1.25mm  [TestPoint-1.25mm]  75.43 88.63 180 bottom
TP10#2  1.25mm  [TestPoint-1.25mm]  147.05 37.33 180 bottom
TP10#3  1.25mm  [TestPoint-1.25mm]  75.43 37.33 180 bottom
TP10#4  1.25mm  [TestPoint-1.25mm]  147.05 88.63 180 bottom
TP11  1.25mm  [TestPoint-1.25mm]  36.06 50.03 180 bottom
TP11#2  1.25mm  [TestPoint-1.25mm]  107.68 101.33 180 bottom
TP11#3  1.25mm  [TestPoint-1.25mm]  36.06 101.33 180 bottom
TP11#4  1.25mm  [TestPoint-1.25mm]  107.68 50.03 180 bottom
TP12  1.25mm  [TestPoint-1.25mm]  27.17 70.22 180 bottom
TP12#2  1.25mm  [TestPoint-1.25mm]  27.17 18.92 180 bottom
TP12#3  1.25mm  [TestPoint-1.25mm]  98.79 18.92 180 bottom
TP12#4  1.25mm  [TestPoint-1.25mm]  98.79 70.22 180 bottom
TP13  1.25mm  [TestPoint-1.25mm]  87.36 30.98 180 bottom
TP13#2  1.25mm  [TestPoint-1.25mm]  87.36 82.28 180 bottom
TP13#3  1.25mm  [TestPoint-1.25mm]  15.74 82.28 180 bottom
TP13#4  1.25mm  [TestPoint-1.25mm]  15.74 30.98 180 bottom
TR1  -  [RFCMF1220100M4T]  101.97 68.94 0 top
TR1#2  -  [RFCMF1220100M4T]  30.34 17.64 0 top
TR1#3  -  [RFCMF1220100M4T]  30.34 68.94 0 top
TR1#4  -  [RFCMF1220100M4T]  101.97 17.64 0 top
U1  mosaic-T  [MOSAIC_LGA]  51.3 32.25 270 top
U1#2  mosaic-T  [MOSAIC_LGA]  122.92 32.25 270 top
U1#3  mosaic-T  [MOSAIC_LGA]  51.3 83.55 270 top
U1#4  mosaic-T  [MOSAIC_LGA]  122.92 83.55 270 top
U2  74LVC2T45DC  [VSSOP8_SOT765-1]  65.91 11.93 270 top
U2#2  74LVC2T45DC  [VSSOP8_SOT765-1]  65.91 63.23 270 top
U2#3  74LVC2T45DC  [VSSOP8_SOT765-1]  137.53 63.23 270 top
U2#4  74LVC2T45DC  [VSSOP8_SOT765-1]  137.53 11.93 270 top
U3  LMV7219M5  [SOT23-5]  74.16 79.74 270 top
U3#2  LMV7219M5  [SOT23-5]  74.16 28.44 270 top
U3#3  LMV7219M5  [SOT23-5]  145.78 79.74 270 top
U3#4  LMV7219M5  [SOT23-5]  145.78 28.44 270 top
U4  AP7361C-3.3V  [UDFN-8]  44.95 101.97 180 top
U4#2  AP7361C-3.3V  [UDFN-8]  116.57 101.97 180 top
U4#3  AP7361C-3.3V  [UDFN-8]  116.57 50.67 180 top
U4#4  AP7361C-3.3V  [UDFN-8]  44.95 50.67 180 top
VBATT1  ~  [Jumper_2_NC_Trace]  41.76 27.17 270 bottom
VBATT1#2  ~  [Jumper_2_NC_Trace]  41.76 78.47 270 bottom
VBATT1#3  ~  [Jumper_2_NC_Trace]  113.38 78.47 270 bottom
VBATT1#4  ~  [Jumper_2_NC_Trace]  113.38 27.17 270 bottom
VOUT1  ~  [Jumper_3_NC-1_Trace]  23.36 83.83 90 bottom
VOUT1#2  ~  [Jumper_3_NC-1_Trace]  94.98 32.53 90 bottom
VOUT1#3  ~  [Jumper_3_NC-1_Trace]  94.98 83.83 90 bottom
VOUT1#4  ~  [Jumper_3_NC-1_Trace]  23.36 32.53 90 bottom

## Library data of the parts
C1 C1#3 C1#4 C2 C2#2 C2#4 C7 C7#3 C7#4 C12 C12#2 C12#3 C15 C15#2 C15#4 C18 C18#2 C18#3 = -: Datasheet: https://cdn.sparkfun.com/assets/8/a/4/a/5/Kemet_Capacitor_Datasheet.pdf; Description: Unpolarized capacitor; PROD_ID: CAP-20155; Voltage: 10V; Tolerance: 20%
C1#2 C2#3 C7#2 C12#4 C15#3 C18#4 = -: Datasheet: https://cdn.sparkfun.com/assets/8/a/4/a/5/Kemet_Capacitor_Datasheet.pdf; Description: Unpolarized capacitor; PROD_ID: CAP-20155; Voltage: 10V; Tolerance: 20%; ki_fp_filters: C_*
C3 C3#2 C3#4 C4 C4#3 C4#4 C6 C6#2 C6#3 C8 C8#3 C8#4 C13 C13#2 C13#3 = -: Datasheet: https://cdn.sparkfun.com/assets/8/a/4/a/5/Kemet_Capacitor_Datasheet.pdf; Description: Unpolarized capacitor; PROD_ID: CAP-00810; Voltage: 25V; Tolerance: 20%
